# Altium PCB Spektrop2_Processor_Board_V1.PcbDoc (part 1 of 4)
Units mm, origin at the board's own origin, x right, y up, seen from the top; angles counter-clockwise.
Board outline 42 x 42 mm, 8 copper layers (TOP, L1-GND, L2, L3-1V8, L4-PWR, L5, L6-GND, BTM), stack 1.554 mm thick; 263 components, 222 nets, 1386 pads, 678 vias.
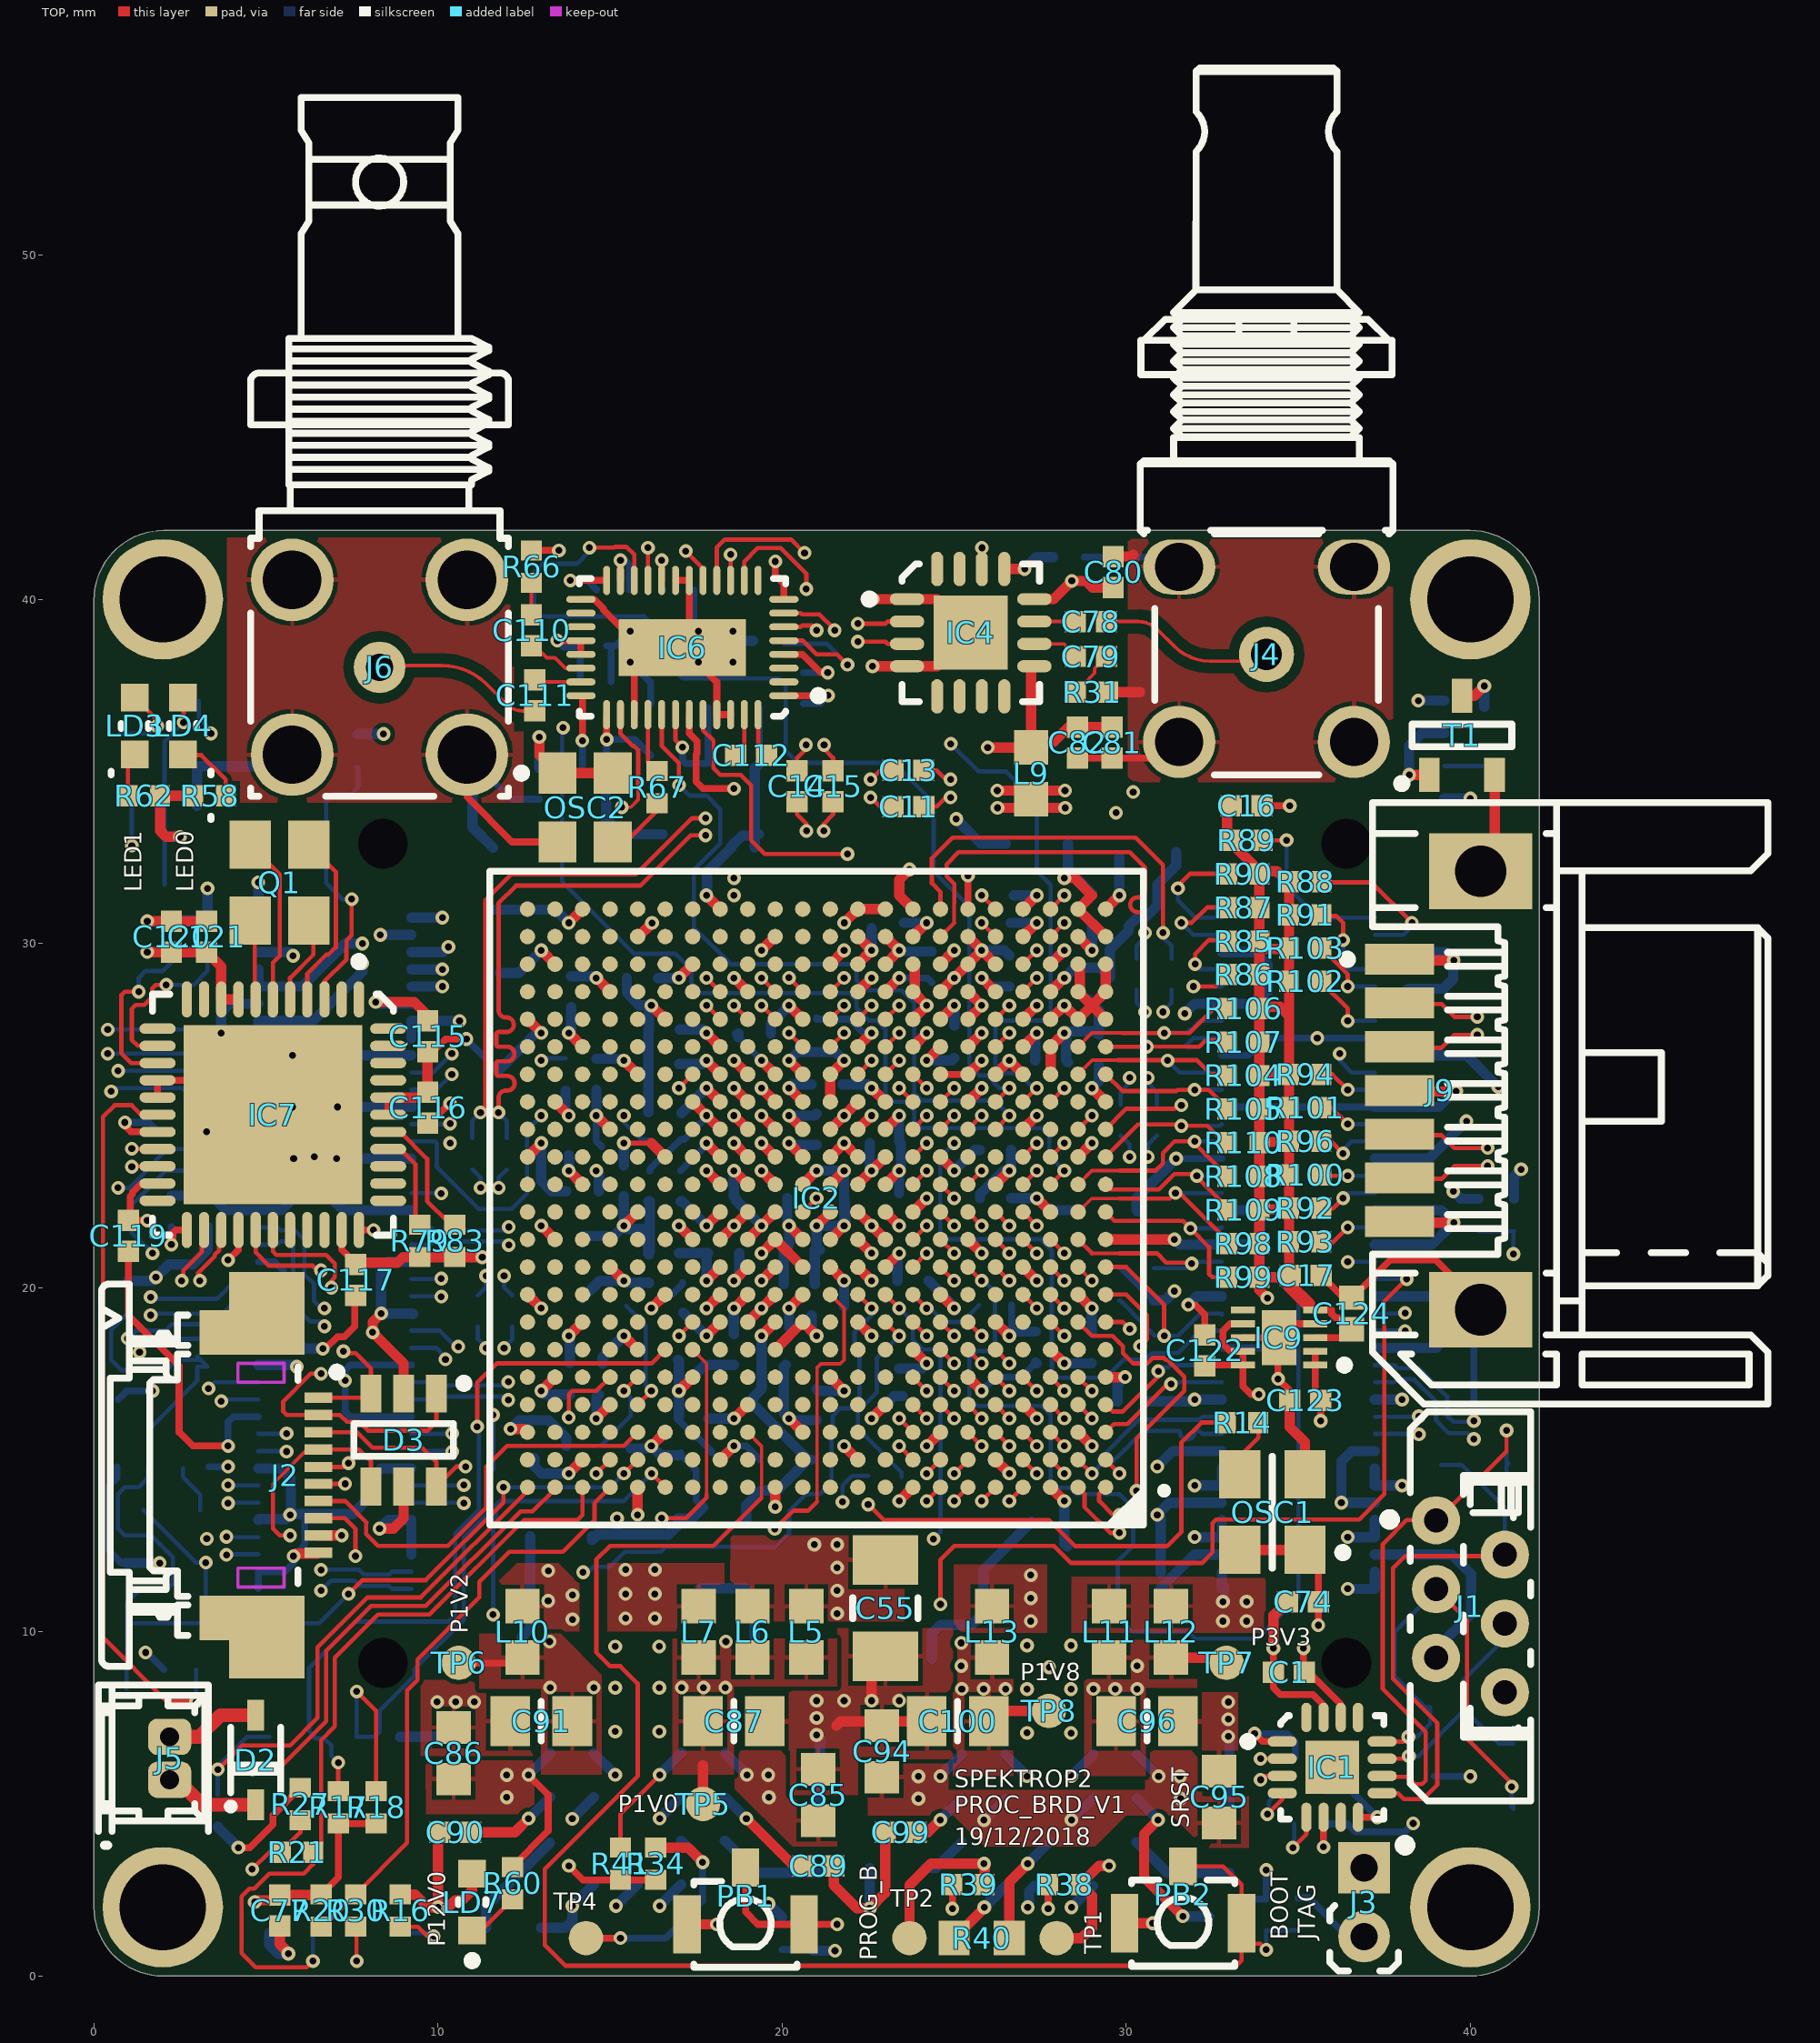
[diagram p0: TOP view]
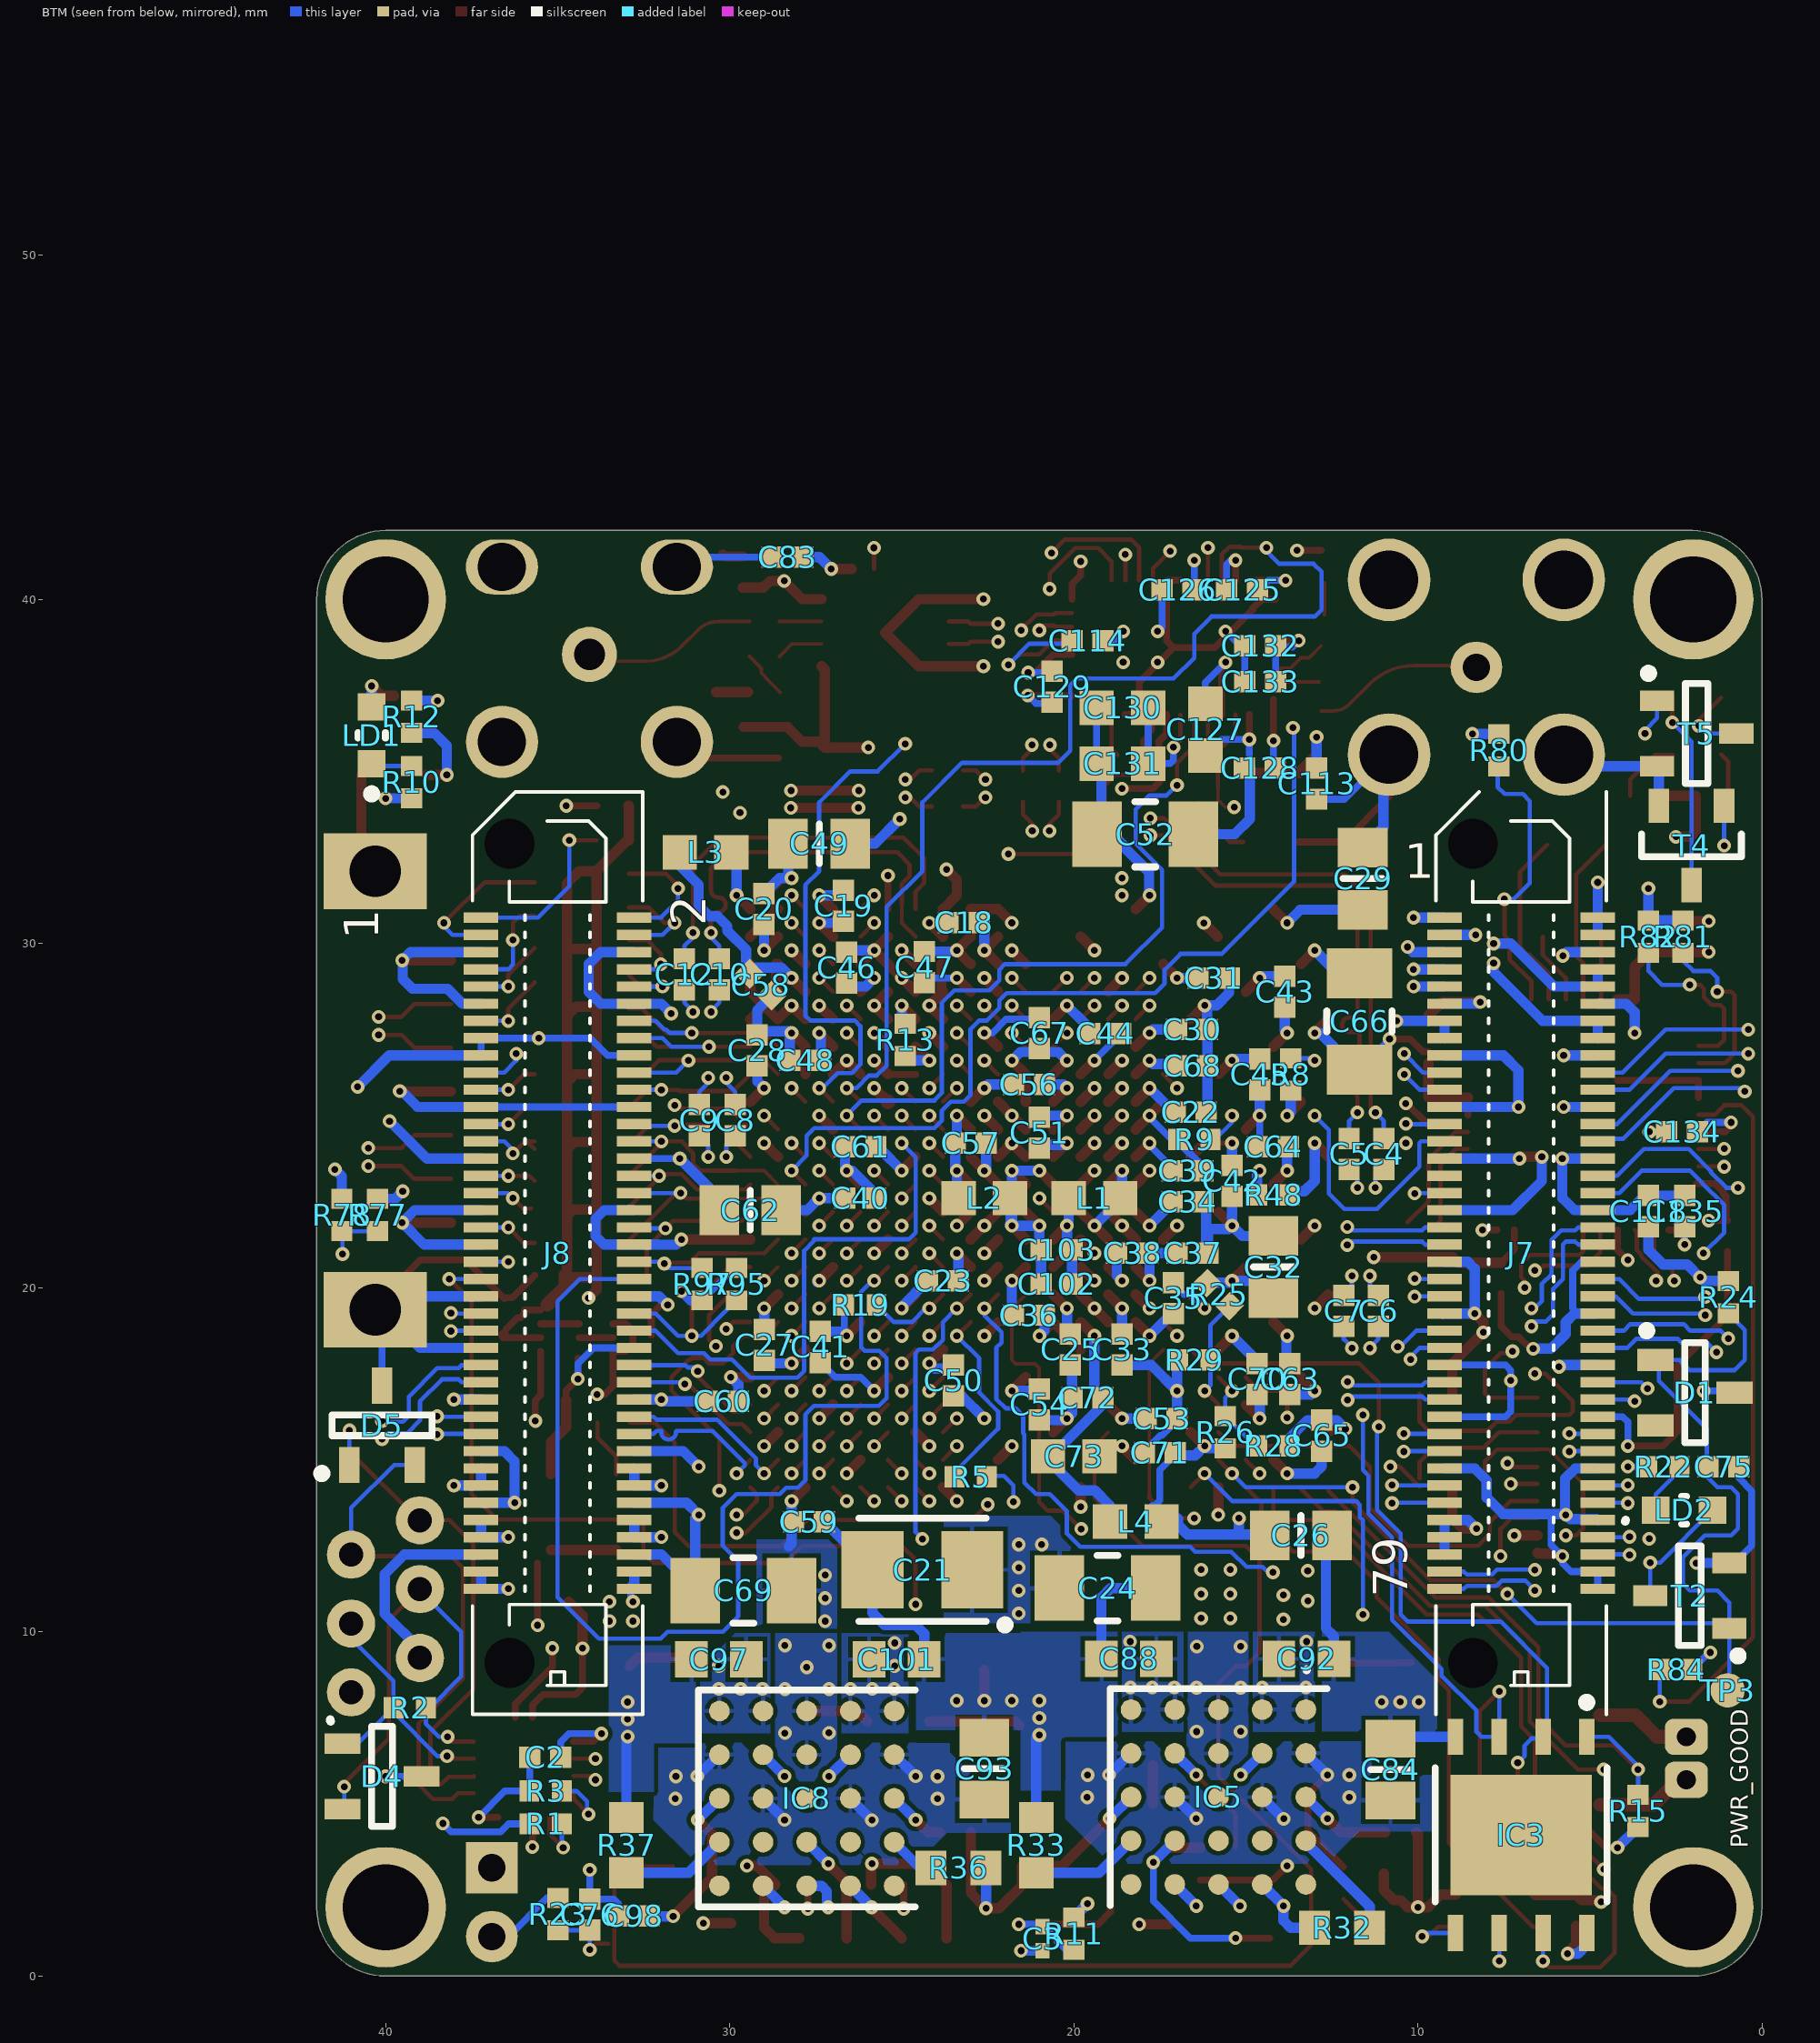
[diagram p1: BTM view, seen from below]
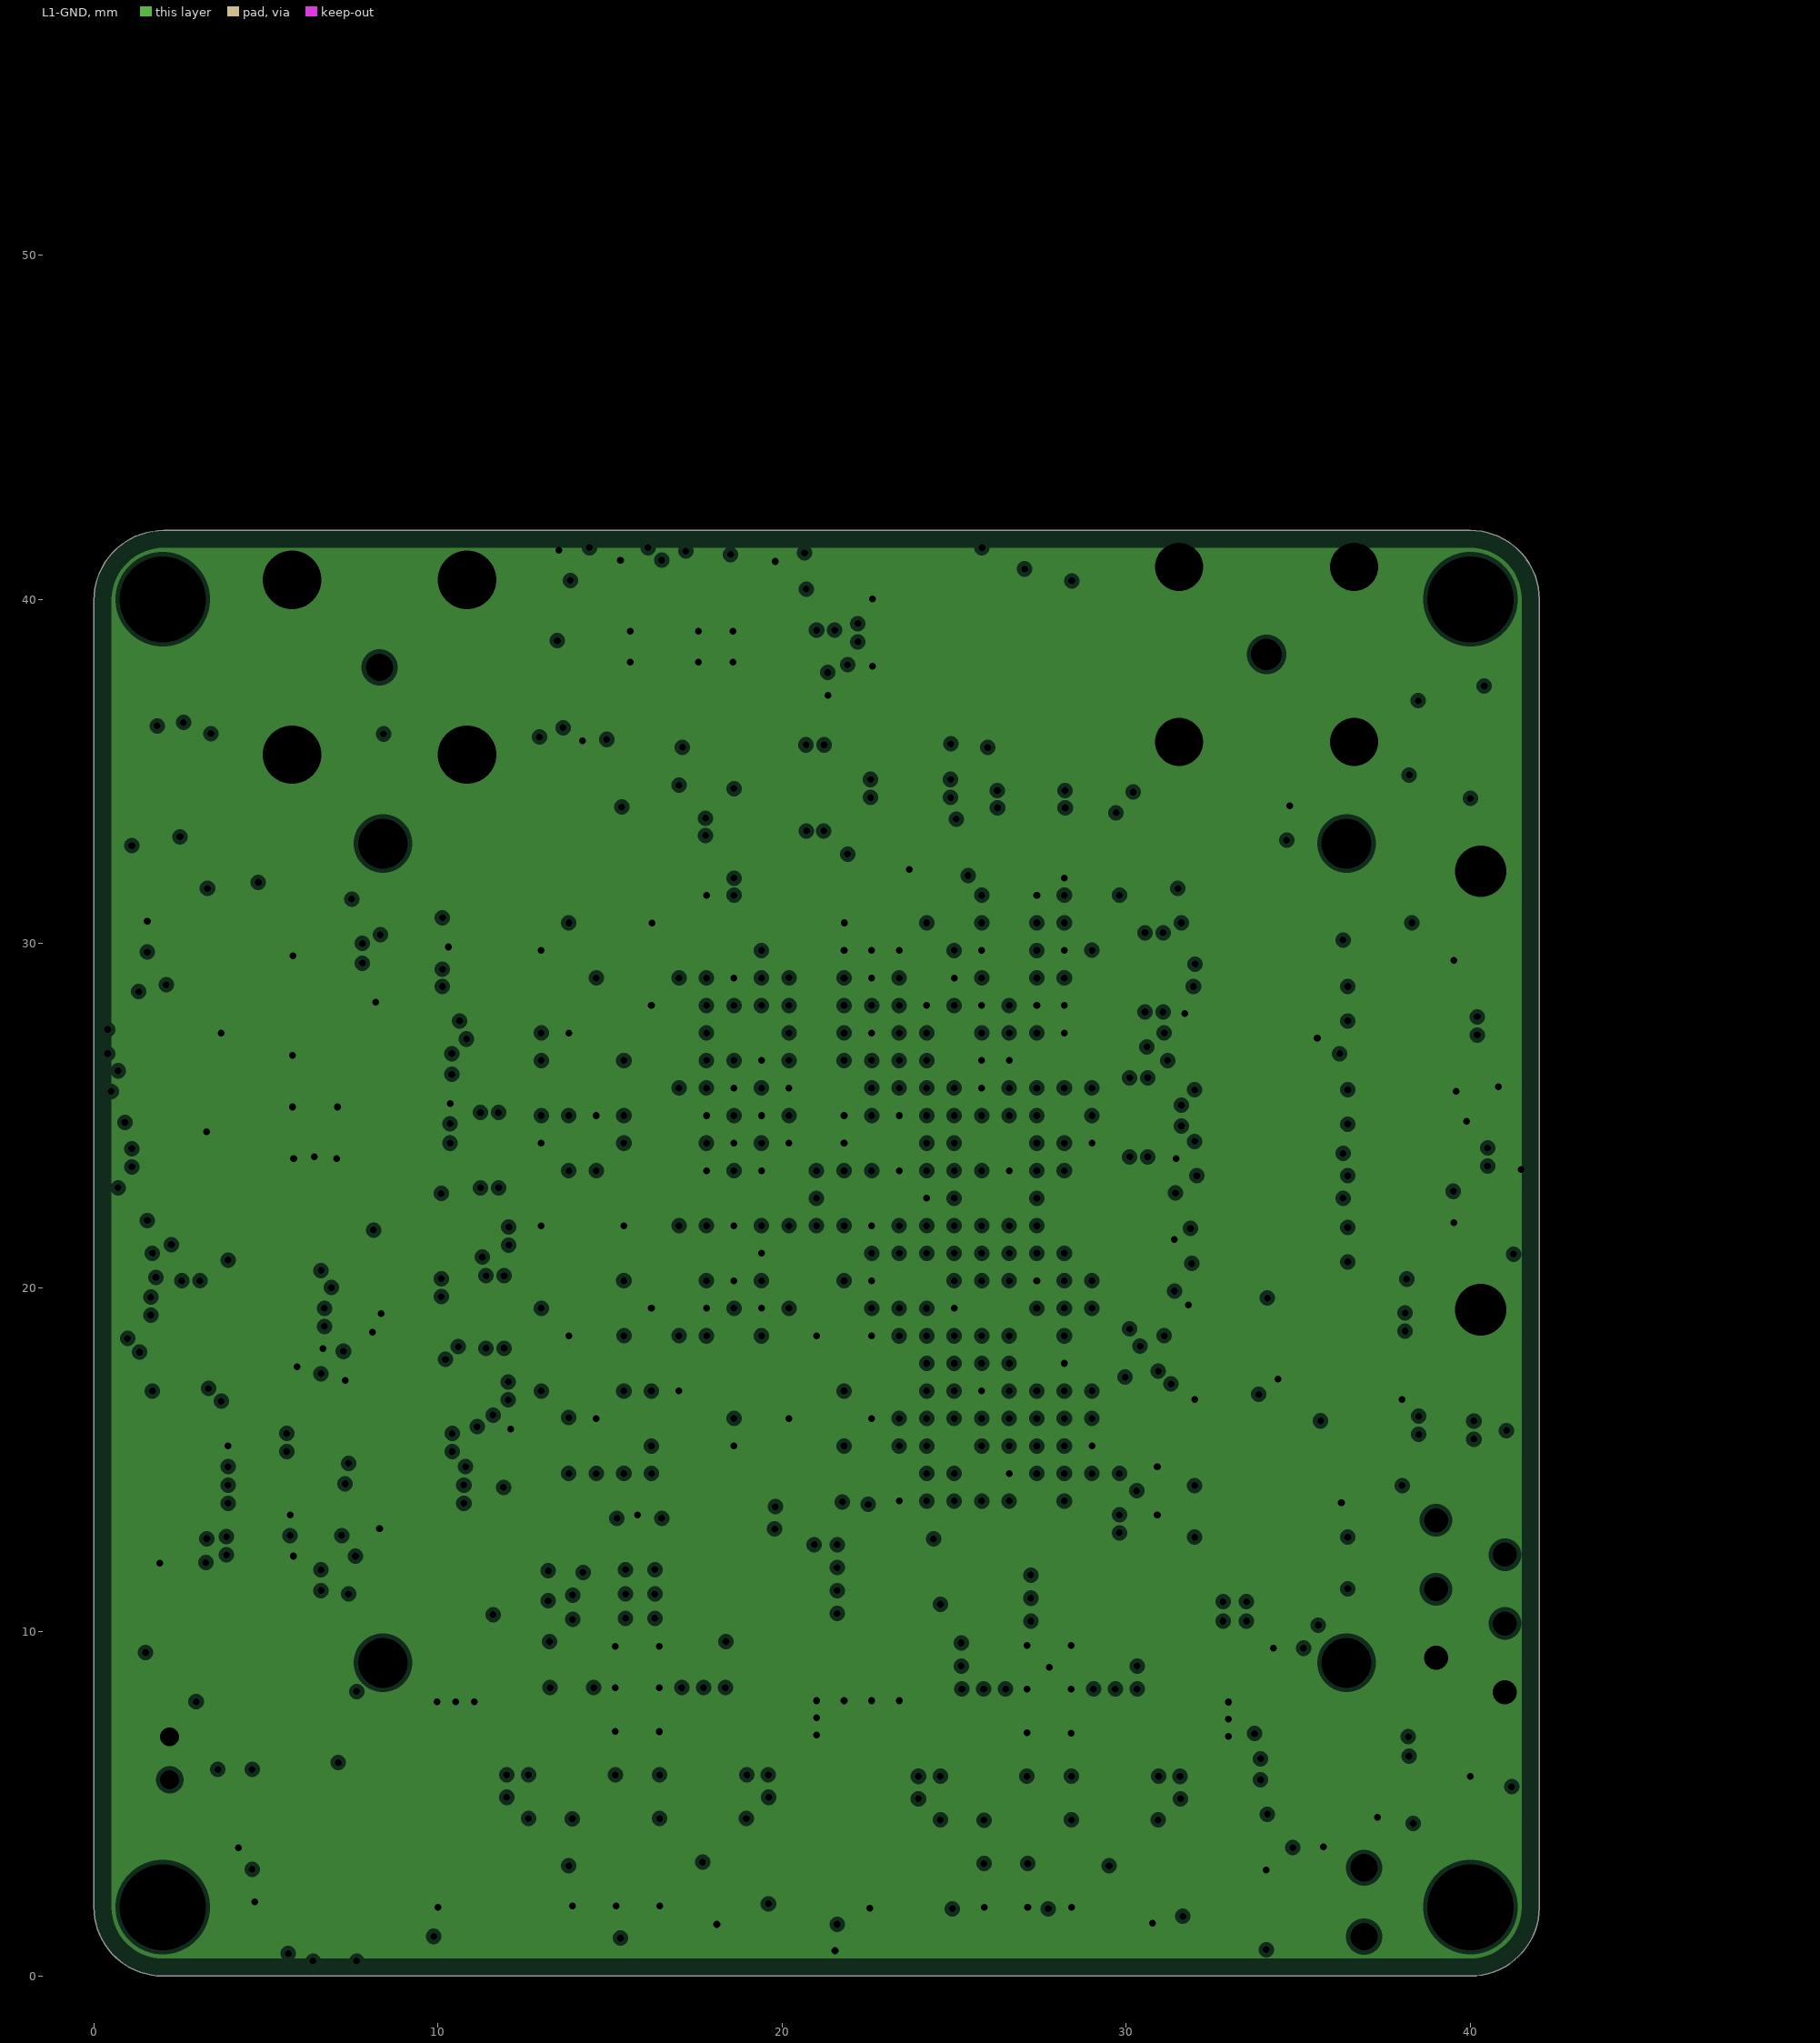
[diagram p2: L1-GND, clearances drawn from the general rule]